# KiCad board Battman.kicad_pcb (continued)
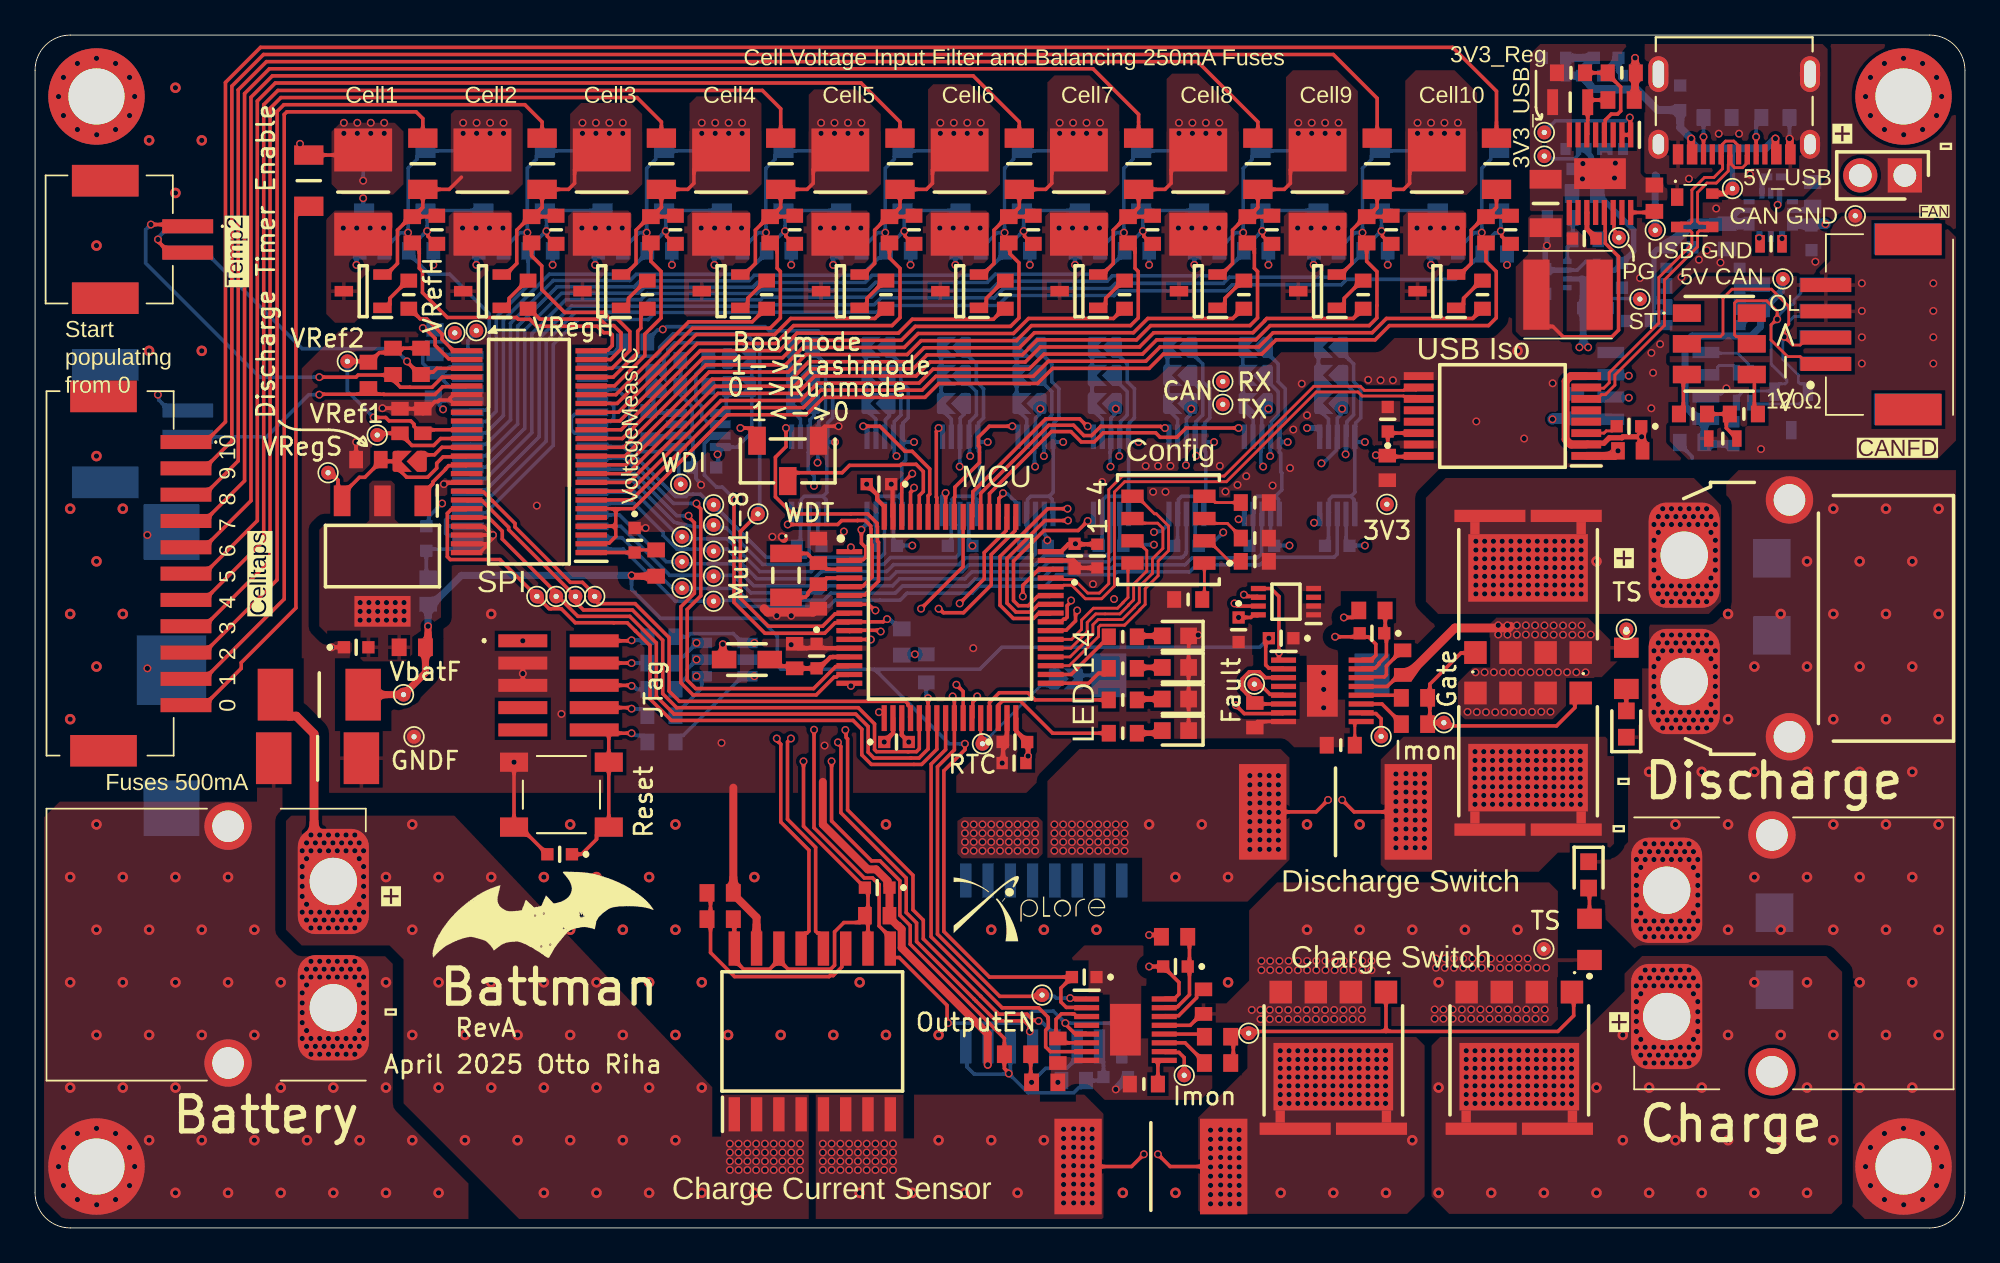
[diagram p0: board, top side]
## Routing (per net, layer and track width the routed paths; a pad name or vN(x,y) marks a point on that pad's centre or on a via; arc(x,y) is an arc through that point) (continued)

## Copper pours and planes (outline as drawn; the poured copper is in the pictures)
3.3V on Mid Layer 3: 28.53,26.7 72.7,26.7 79.5,33.5 79.5,40.56 82,44.3 98.9,44.3 100.7,46.1 100.7,55.14 105.35,59.89 104.05,61.38 102.38,59.7 87,59.7 85.9,58.6 85.9,52.6 83.6,50.3 43.8,50.3 27.6,34.1 27.6,27.93
3V3_Reg on Top Layer: 85.28,57.76 85.1,57.58 85.1,55.5 84.4,54.8 84.4,51.1 84.7,50.8 86.8,50.8 87.1,51.1 87.1,57.76
Bat_GND on Top Layer: 20.1,15.9 20.8,15.2 20.8,6.8 24.7,2.9 24.7,0.5 1.6,0.5 0.5,1.6 0.5,23.4 1.4,24.3 12.65,24.3 12.65,27.1 14.1,27.1 14.1,16.9 15.1,15.9
Bat_GND on Top Layer: 91.6,28.9 90.8,28.1 90.8,22 89.8,21 88,21 88,19.1 89.46,18.66 89.52,17.58 91.2,15.9 102.2,15.9 103.4,14.7 103.4,1.4 104.3,0.5 108.9,0.5 109.8,1.4 109.8,43.2 97.1,43.2 96.4,42.5 96.4,35.5 95.7,34.8 92.2,34.8 91.6,34.2
Bat_GND on Bottom Layer: 20.1,15.9 20.8,15.2 20.8,6.8 24.7,2.9 24.7,0.5 1.6,0.5 0.5,1.6 0.5,23.4 1.4,24.3 12.37,24.3 12.37,27.1 15.54,27.1 14.1,24.52 14.1,16.9 15.1,15.9
Bat_GND on Bottom Layer: 103.7,0.6 108.8,0.6 110,1.8 110,42.77 109.55,43.22 90.65,43.22 90.4,42.97 90.4,0.7
Bat_GND on Mid Layer 1: 0,0 109.11,0.31 109.5,0.7 109.5,42.1 108,43.6 70.7,43.6 0,27.5
Bat_GND on Mid Layer 2: 91.6,28.9 90.8,28.1 90.8,16.3 91.2,15.9 102.2,15.9 103.4,14.7 103.4,1.4 104.3,0.5 108.9,0.5 109.8,1.4 109.8,43.2 97.1,43.2 96.4,42.5 96.4,35.5 95.7,34.8 92.2,34.8 91.6,34.2
Bat_GND on Mid Layer 2: 20.1,15.9 20.8,15.2 20.8,6.8 24.7,2.9 24.7,0.5 1.6,0.5 0.5,1.6 0.5,23.4 1.4,24.3 14.1,24.3 14.1,16.9 15.1,15.9
Bat_GND on Mid Layer 3: 91.6,28.9 90.8,28.1 90.8,16.3 91.2,15.9 102.2,15.9 103.4,14.7 103.4,1.4 104.3,0.5 108.9,0.5 109.8,1.4 109.8,43.2 97.1,43.2 96.4,42.5 96.4,35.5 95.7,34.8 92.2,34.8 91.6,34.2
Bat_GND on Mid Layer 3: 20.1,15.9 20.8,15.2 20.8,6.8 24.7,2.9 24.7,0.5 1.6,0.5 0.5,1.6 0.5,23.4 1.4,24.3 14.1,24.3 14.1,16.9 15.1,15.9
Bat_GND on Mid Layer 4: 0,0 108.91,0.31 109.5,0.9 109.5,42.1 108,43.6 70.7,43.6 0,27.5
Bat_GND_Fused on Top Layer: 59.8,16.1 57.9,14.2 57.9,8.8 59.4,7.3 67,7.3 67.1,7.4 67.1,14 65.2,16.1
Bat_GND_Fused on Top Layer: 77.1,27.4 80.4,30.7 80.4,41.8 81.55,42.95 89.03,42.95 89.84,43.75 108.35,43.75 109.7,45.1 109.7,63.3 105.4,67.6 85.9,67.6 85.2,66.9 85.2,55.8 84.3,54.9 84.3,52.3 83.1,51.1 17.3,51.1 15.2,49 15.2,25.5 15.9,24.8 56.5,24.8 59.1,27.4
Bat_GND_Fused on Bottom Layer: 101.75,56.23 99.67,56.23 99.1,56.8 98.78,56.8 98.25,56.27 95.88,56.27 95.75,56.15 95.75,55.35 96.07,55.03 101.43,55.03 101.75,55.35
Bat_GND_Fused on Bottom Layer: 109.6,65.7 107.5,67.8 85.9,67.8 85.1,67 85.1,53.1 83.1,51.1 17.12,51.1 15.2,49 15.2,25.6 73.32,25.6 80.38,32.65 80.38,41.8 81.67,43.3 87.6,43.3 88.5,44.2 107.9,44.2 109.6,45.9
Bat_GND_Fused on Bottom Layer: 99.83,59.04 99.2,59.58 99.2,60.11 101.97,60.11 101.97,59.2 101.98,59.2 100.5,59.2 100.5,58.35 99.83,58.35
Bat_GND_Fused on Mid Layer 1: 10.4,67.43 1.43,67.43 0.5,66.5 0.5,24.8 58.67,24.8 71.8,28.14 78.5,32.6 78.9,42.67 83.34,43.8 108.4,43.8 109.6,45 109.6,65.7 107.9,67.4
Bat_GND_Fused on Mid Layer 2: 77.1,27.4 80.4,30.7 80.4,41.8 81.53,42.92 89.01,42.92 89.84,43.75 108.35,43.75 109.7,45.1 109.7,63.3 105.4,67.6 85.9,67.6 85.2,66.9 85.2,55.8 84.3,54.9 84.3,52.3 83.1,51.1 17.3,51.1 15.2,49 15.2,25.5 15.9,24.8 56.5,24.8 59.1,27.4
Bat_GND_Fused on Mid Layer 4: 0.1,67.1 1,68 108.8,68 110,66.8 110,44.1 109.7,43.8 69.4,43.8 50.4,24.8 0.1,24.8
CAN_GND on Top Layer: 109.74,56.23 108.3,57.67 102.97,57.67 102.33,57.04 102.33,55.13 101.45,54.25 94.63,54.25 93.18,52.8 93.18,44.84 94.22,43.8 108.4,43.8 109.86,45.26
CAN_GND on Bottom Layer: 109.03,58.2 104.1,58.2 101.88,54.97 97.4,54.97 96.75,54.33 96.75,51.6 96.49,51.31 94.08,51.32 93.8,51.02 93.8,44.22 94.22,43.8 108.4,43.8 109.49,44.89 109.49,57.73
Cell0 on Top Layer: 20.5,63 21,62.5 21,59.5 20.41,58.91 17.49,58.91 16.9,59.5 16.9,62.5 17.4,63
Cell0 on Bottom Layer: 41.4,39.4 42.77,37.8 75.5,37.8 76.2,38.5 76.2,49.9 73.5,52.6 65.2,52.6 63.8,51.2 43.3,51.2 41.4,49.3
Cell0 on Mid Layer 1: 6.1,29.01 6.63,28.6 9.5,28.6 15.4,34.5 15.4,62.8 15.7,63.1 16.3,63.1 16.6,62.8 16.6,51.6 16.8,51.4 21.5,51.4 23.6,49.3 29.9,49.3 30.34,48.86 30.31,38.29 31.01,37.59 33.19,37.59 33.5,37.9 33.5,39.7 39.59,46 44.11,46 45.11,47 50.91,47 51.63,47.72 57.26,47.72 58.25,48.63 63.63,48.63 64.45,49.45 70.05,49.45 70.85,50.25 76.46,50.25 77.4,51.2 83.1,51.2 84.2,52.7 84.2,54.8 85,55.6 85,66.9 84.4,67.5 12.4,67.5 10.2,65.3 10.2,46.9 9.1,45.8 6.7,45.8 6.1,45.2
Cell0 on Mid Layer 2: 16.6,66.7 16.6,59.88 22.1,59.88 22.1,66.6 21.2,67.5 17.4,67.5
Cell0 on Mid Layer 3: 16.6,66.7 16.6,59.88 22.1,59.88 22.1,66.6 21.2,67.5 17.4,67.5
Cell0 on Mid Layer 4: 16.6,51.6 16.8,51.4 17.5,51.4 22.6,46.3 22.6,38.6 23.9,37.3 32.7,37.3 38.2,35.4 39.91,35.4 40.11,35.21 45.3,35.21 45.7,35.6 49.4,35.6 49.8,36 53.5,36 53.9,36.4 57.7,36.4 58.1,36.8 61.8,36.8 62.2,37.2 66,37.2 66.4,37.6 75.54,37.6 76.53,38.59 76.53,51.6 83.4,51.6 84.18,52.66 84.18,54.8 85,55.62 85,66.9 84.4,67.5 17.4,67.5 16.6,66.7
NetC402_2 on Top Layer: 87.7,58.6 87.7,57.1 89,55.8 89.83,55.8 90.13,55.51 90.13,51.05 89.88,50.8 87.5,50.8 87.3,51 87.3,58.6
NetC415_2 on Bottom Layer (solid shape): 93.85,56.25 93.77,56.16 93.63,56.01 93.57,55.93 93.53,55.86 93.49,55.79 93.46,55.73 93.44,55.67 93.43,55.61 93.42,55.55 92.73,56.25 93.42,56.67
NetF200A_2 on Top Layer: 27.5,63.8 27.8,63.5 27.8,59.5 27.21,58.91 24.29,58.91 23.7,59.5 23.7,63.5 24,63.8
NetF200A_2 on Mid Layer 2: 23.4,66.7 23.4,59.88 28.9,59.88 28.9,66.6 28,67.5 24.2,67.5
NetF200A_2 on Mid Layer 3: 23.4,66.7 23.4,59.88 28.9,59.88 28.9,66.6 28,67.5 24.2,67.5
NetF200B_2 on Top Layer: 33.9,64.2 34.6,63.5 34.6,59.5 34.01,58.91 31.09,58.91 30.5,59.5 30.5,63.5 31.2,64.2
NetF200B_2 on Top Layer: 34.1,63 34.6,62.5 34.6,59.5 34.01,58.91 31.09,58.91 30.5,59.5 30.5,62.5 31,63
NetF200B_2 on Mid Layer 2: 30.2,66.7 30.2,59.88 35.7,59.88 35.7,66.6 34.8,67.5 31,67.5
NetF200B_2 on Mid Layer 3: 30.2,66.7 30.2,59.88 35.7,59.88 35.7,66.6 34.8,67.5 31,67.5
NetF200C_2 on Top Layer: 41,64.5 41.4,64.1 41.4,59.5 40.81,58.91 37.89,58.91 37.3,59.5 37.3,64.1 37.7,64.5
NetF200C_2 on Top Layer: 40.9,63 41.4,62.5 41.4,59.5 40.81,58.91 37.89,58.91 37.3,59.5 37.3,62.5 37.8,63
NetF200C_2 on Mid Layer 2: 37,66.7 37,59.88 42.5,59.88 42.5,66.6 41.6,67.5 37.8,67.5
NetF200C_2 on Mid Layer 3: 37,66.7 37,59.88 42.5,59.88 42.5,66.6 41.6,67.5 37.8,67.5
NetF200D_2 on Top Layer: 46.8,64.9 48.2,63.5 48.2,59.5 47.61,58.91 44.69,58.91 44.1,59.5 44.1,64.6 44.4,64.9
NetF200D_2 on Top Layer: 47.7,63 48.2,62.5 48.2,59.5 47.61,58.91 44.69,58.91 44.1,59.5 44.1,62.5 44.6,63
NetF200D_2 on Mid Layer 2: 43.8,66.7 43.8,59.88 49.3,59.88 49.3,66.6 48.4,67.5 44.6,67.5
NetF200D_2 on Mid Layer 3: 43.8,66.7 43.8,59.88 49.3,59.88 49.3,66.6 48.4,67.5 44.6,67.5
NetF200E_2 on Top Layer: 53.3,65.2 55,63.5 55,59.5 54.41,58.91 51.49,58.91 50.9,59.5 50.9,64.9 51.2,65.2
NetF200E_2 on Top Layer: 54.5,63 55,62.5 55,59.5 54.41,58.91 51.49,58.91 50.9,59.5 50.9,62.5 51.4,63
NetF200E_2 on Mid Layer 2: 50.6,66.7 50.6,59.88 56.1,59.88 56.1,66.6 55.2,67.5 51.4,67.5
NetF200E_2 on Mid Layer 3: 50.6,66.7 50.6,59.88 56.1,59.88 56.1,66.6 55.2,67.5 51.4,67.5
NetF200F_2 on Top Layer: 60.1,65.7 61.8,64 61.8,59.5 61.21,58.91 58.29,58.91 57.7,59.5 57.7,65.3 58.1,65.7
NetF200F_2 on Top Layer: 61.3,63 61.8,62.5 61.8,59.5 61.21,58.91 58.29,58.91 57.7,59.5 57.7,62.5 58.2,63
NetF200F_2 on Mid Layer 2: 57.4,66.7 57.4,59.88 62.9,59.88 62.9,66.6 62,67.5 58.2,67.5
NetF200F_2 on Mid Layer 3: 57.4,66.7 57.4,59.88 62.9,59.88 62.9,66.6 62,67.5 58.2,67.5
NetF200G_2 on Top Layer: 66.3,65.8 68.6,63.5 68.6,59.5 68.01,58.91 65.09,58.91 64.5,59.5 64.5,65.5 64.8,65.8
NetF200G_2 on Top Layer: 68.1,63 68.6,62.5 68.6,59.5 68.01,58.91 65.09,58.91 64.5,59.5 64.5,62.5 65,63
NetF200G_2 on Mid Layer 2: 64.2,66.7 64.2,59.88 69.7,59.88 69.7,66.6 68.8,67.5 65,67.5
NetF200G_2 on Mid Layer 3: 64.2,66.7 64.2,59.88 69.7,59.88 69.7,66.6 68.8,67.5 65,67.5
NetF200H_2 on Top Layer: 74.9,63 75.4,62.5 75.4,59.5 74.81,58.91 71.89,58.91 71.3,59.5 71.3,62.5 71.8,63
NetF200H_2 on Top Layer: 74.2,66 75.4,64.8 75.4,59.5 74.81,58.91 71.89,58.91 71.3,59.5 71.3,65.6 71.7,66
NetF200H_2 on Mid Layer 2: 71,66.7 71,59.88 76.5,59.88 76.5,66.6 75.6,67.5 71.8,67.5
NetF200H_2 on Mid Layer 3: 71,66.7 71,59.88 76.5,59.88 76.5,66.6 75.6,67.5 71.8,67.5
NetF200I_2 on Top Layer: 80.9,66 82.2,64.7 82.2,59.5 81.61,58.91 78.69,58.91 78.1,59.5 78.1,65.4 78.7,66
NetF200I_2 on Top Layer: 81.7,63 82.2,62.5 82.2,59.5 81.61,58.91 78.69,58.91 78.1,59.5 78.1,62.5 78.6,63
NetF200I_2 on Mid Layer 2: 77.8,66.7 77.8,59.88 83.3,59.88 83.3,66.6 82.4,67.5 78.6,67.5
NetF200I_2 on Mid Layer 3: 77.8,66.7 77.8,59.88 83.3,59.88 83.3,66.6 82.4,67.5 78.6,67.5
NetQ200A_3 on Top Layer: 17.1,58 16.6,57.5 16.6,52.1 17.1,51.6 18.2,51.6 18.5,51.9 18.5,54 19.5,55 20.1,55 20.4,55.3 20.4,57.8 20.2,58
NetQ200A_3 on Mid Layer 2: 16.6,52.5 16.6,59.52 22.1,59.52 22.1,52.55 21.3,51.75 17.35,51.75
NetQ200A_3 on Mid Layer 3: 16.6,52.5 16.6,59.52 22.1,59.52 22.1,52.55 21.3,51.75 17.35,51.75
NetQ200B_3 on Top Layer: 23.9,58 23.4,57.5 23.4,52.1 23.9,51.6 25,51.6 25.3,51.9 25.3,54 26.3,55 26.9,55 27.2,55.3 27.2,57.8 27,58
NetQ200B_3 on Mid Layer 2: 23.4,52.5 23.4,59.52 28.9,59.52 28.9,52.55 28.1,51.75 24.15,51.75
NetQ200B_3 on Mid Layer 3: 23.4,52.5 23.4,59.52 28.9,59.52 28.9,52.55 28.1,51.75 24.15,51.75
NetQ200C_3 on Top Layer: 30.7,58 30.2,57.5 30.2,52.1 30.7,51.6 31.8,51.6 32.1,51.9 32.1,54 33.1,55 33.7,55 34,55.3 34,57.8 33.8,58
NetQ200C_3 on Mid Layer 2: 30.2,52.5 30.2,59.52 35.7,59.52 35.7,52.55 34.9,51.75 30.95,51.75
NetQ200C_3 on Mid Layer 3: 30.2,52.5 30.2,59.52 35.7,59.52 35.7,52.55 34.9,51.75 30.95,51.75
NetQ200D_3 on Top Layer: 37.5,58 37,57.5 37,52.1 37.5,51.6 38.6,51.6 38.9,51.9 38.9,54 39.9,55 40.5,55 40.8,55.3 40.8,57.8 40.6,58
NetQ200D_3 on Mid Layer 2: 37,52.5 37,59.52 42.5,59.52 42.5,52.55 41.7,51.75 37.75,51.75
NetQ200D_3 on Mid Layer 3: 37,52.5 37,59.52 42.5,59.52 42.5,52.55 41.7,51.75 37.75,51.75
NetQ200E_3 on Top Layer: 44.3,58 43.8,57.5 43.8,52.1 44.3,51.6 45.4,51.6 45.7,51.9 45.7,54 46.7,55 47.3,55 47.6,55.3 47.6,57.8 47.4,58
NetQ200E_3 on Mid Layer 2: 43.8,52.5 43.8,59.52 49.3,59.52 49.3,52.55 48.5,51.75 44.55,51.75
NetQ200E_3 on Mid Layer 3: 43.8,52.5 43.8,59.52 49.3,59.52 49.3,52.55 48.5,51.75 44.55,51.75
NetQ200F_3 on Top Layer: 51.1,58 50.6,57.5 50.6,52.1 51.1,51.6 52.2,51.6 52.5,51.9 52.5,54 53.5,55 54.1,55 54.4,55.3 54.4,57.8 54.2,58
NetQ200F_3 on Mid Layer 2: 50.6,52.5 50.6,59.52 56.1,59.52 56.1,52.55 55.3,51.75 51.35,51.75
NetQ200F_3 on Mid Layer 3: 50.6,52.5 50.6,59.52 56.1,59.52 56.1,52.55 55.3,51.75 51.35,51.75
NetQ200G_3 on Top Layer: 57.9,58 57.4,57.5 57.4,52.1 57.9,51.6 59,51.6 59.3,51.9 59.3,54 60.3,55 60.9,55 61.2,55.3 61.2,57.8 61,58
NetQ200G_3 on Mid Layer 2: 57.4,52.5 57.4,59.52 62.9,59.52 62.9,52.55 62.1,51.75 58.15,51.75
NetQ200G_3 on Mid Layer 3: 57.4,52.5 57.4,59.52 62.9,59.52 62.9,52.55 62.1,51.75 58.15,51.75
NetQ200H_3 on Top Layer: 64.7,58 64.2,57.5 64.2,52.1 64.7,51.6 65.8,51.6 66.1,51.9 66.1,54 67.1,55 67.7,55 68,55.3 68,57.8 67.8,58
NetQ200H_3 on Mid Layer 2: 64.2,52.5 64.2,59.52 69.7,59.52 69.7,52.55 68.9,51.75 64.95,51.75
NetQ200H_3 on Mid Layer 3: 64.2,52.5 64.2,59.52 69.7,59.52 69.7,52.55 68.9,51.75 64.95,51.75
NetQ200I_3 on Top Layer: 71.5,58 71,57.5 71,52.1 71.5,51.6 72.6,51.6 72.9,51.9 72.9,54 73.9,55 74.5,55 74.8,55.3 74.8,57.8 74.6,58
NetQ200I_3 on Mid Layer 2: 71,52.5 71,59.52 76.5,59.52 76.5,52.55 75.7,51.75 71.75,51.75
NetQ200I_3 on Mid Layer 3: 71,52.5 71,59.52 76.5,59.52 76.5,52.55 75.7,51.75 71.75,51.75
NetQ200J_3 on Top Layer: 78.3,58 77.8,57.5 77.8,52.1 78.3,51.6 79.4,51.6 79.7,51.9 79.7,54 80.7,55 81.3,55 81.6,55.3 81.6,57.8 81.4,58
NetQ200J_3 on Mid Layer 2: 77.8,52.5 77.8,59.52 83.3,59.52 83.3,52.55 82.5,51.75 78.55,51.75
NetQ200J_3 on Mid Layer 3: 77.8,52.5 77.8,59.52 83.3,59.52 83.3,52.55 82.5,51.75 78.55,51.75
Out1 on Top Layer: 88,10.9 90.6,13.5 90.6,14.5 91.6,15.5 102.1,15.5 103,14.6 103,1.4 102.4,0.8 80.6,0.8 79.6,1.8 79.6,10.4 80.1,10.9
Out1 on Bottom Layer: 87.9,10.8 90.6,13.5 90.6,14.5 91.6,15.5 102.1,15.5 103,14.6 103,1.4 102.4,0.8 80.6,0.8 79.6,1.8 79.6,9.8 80.6,10.8
Out1 on Mid Layer 2: 87.9,10.8 90.6,13.5 90.6,14.5 91.6,15.5 102.1,15.5 103,14.6 103,1.4 102.4,0.8 80.6,0.8 79.6,1.8 79.6,9.8 80.6,10.8
Out1 on Mid Layer 3: 87.9,10.8 90.6,13.5 90.6,14.5 91.6,15.5 102.1,15.5 103,14.6 103,1.4 102.4,0.8 80.6,0.8 79.6,1.8 79.6,9.8 80.6,10.8
Out2 on Top Layer: 94.55,42.75 96.1,41.2 96.1,35.7 95.4,35 79.98,35 79.28,35.7 79.28,41.62 80.4,42.75
Out2 on Bottom Layer: 96.58,42.75 100.08,39.25 100.08,36.7 98.38,35 79.98,35 79.28,35.7 79.28,41.61 80.41,42.75
Out2 on Mid Layer 2: 94.55,42.75 96.1,41.2 96.1,35.7 95.4,35 79.98,35 79.28,35.7 79.28,41.61 80.41,42.75
Out2 on Mid Layer 3: 94.55,42.75 96.1,41.2 96.1,35.7 95.4,35 79.98,35 79.28,35.7 79.28,41.62 80.4,42.75
shunt+A on Top Layer: 44.5,7.6 49.5,7.6 49.5,5.1 50.1,5.1 50.1,7.6 59.8,7.6 60.9,6.5 60.9,0.6 60.3,0 44.5,0
shunt+A on Bottom Layer: 44.5,5.1 50.1,5.1 50.1,7.6 59.8,7.6 61.3,6.1 61.3,1 60.3,0 44.5,0
shunt+A on Mid Layer 2: 44.5,5.1 50.1,5.1 50.1,7.6 59.8,7.6 61.3,6.1 61.3,1 60.3,0 44.5,0
shunt+A on Mid Layer 3: 44.5,5.1 50.1,5.1 50.1,7.6 59.8,7.6 61.3,6.1 61.3,1 60.3,0 44.5,0
shunt+B on Top Layer: 71.5,26.8 71,27.3 59.53,27.3 57.7,25.47 57.7,21.1 63.1,21.1 63.1,18.6 69.1,18.6 71.5,21
shunt+B on Bottom Layer: 71.5,26.8 71,27.3 59.3,27.3 57.7,25.7 57.7,18.6 62.5,18.6 62.5,21.1 63.1,21.1 63.1,18.6 69.1,18.6 71.5,21
shunt+B on Mid Layer 2: 71.5,26.8 71,27.3 59.3,27.3 57.7,25.7 57.7,21.1 63.1,21.1 63.1,18.6 69.1,18.6 71.5,21
shunt+B on Mid Layer 3: 71.5,26.8 71,27.3 59.3,27.3 57.7,25.7 57.7,21.1 63.1,21.1 63.1,18.6 69.1,18.6 71.5,21
shunt-A on Top Layer: 66.3,6.3 69.1,9.1 69.1,10.4 69.6,10.9 78.7,10.9 79.2,10.4 79.2,1.8 78.2,0.8 66.5,0.8 66.3,1
shunt-A on Bottom Layer: 66.3,6.3 69.1,9.1 69.1,10.4 69.6,10.9 78.7,10.9 79.2,10.4 79.2,1.8 78.2,0.8 66.5,0.8 66.3,1
shunt-A on Mid Layer 2: 66.3,6.3 69.1,9.1 69.1,10.4 69.6,10.9 78.7,10.9 79.2,10.4 79.2,1.8 78.2,0.8 66.5,0.8 66.3,1
shunt-A on Mid Layer 3: 66.3,6.3 69.1,9.1 69.1,10.4 69.6,10.9 78.7,10.9 79.2,10.4 79.2,1.8 78.2,0.8 66.5,0.8 66.3,1
shunt-B on Top Layer: 76.7,26.7 78,28 89.5,28 90,27.5 90,21.9 89.5,21.4 86.8,21.4 85.7,20.3 77.1,20.3 76.7,20.7
shunt-B on Bottom Layer: 76.7,26.7 78,28 89.5,28 90,27.5 90,21.9 88.4,20.3 77.1,20.3 76.7,20.7
shunt-B on Mid Layer 2: 76.7,26.7 78,28 89.5,28 90,27.5 90,21.9 89.5,21.4 86.8,21.4 85.7,20.3 77.1,20.3 76.7,20.7
shunt-B on Mid Layer 3: 76.7,26.7 78,28 89.5,28 90,27.5 90,21.9 89.5,21.4 86.8,21.4 85.7,20.3 77.1,20.3 76.7,20.7
TSA on Top Layer: 86.3,11.4 86.8,11.9 86.8,15.15 89.2,15.15 89.2,15.38 86.8,15.38 86.8,19.2 86.3,19.7 70.8,19.7 69.2,18.1 69.2,14.1 67.9,12.8 66.19,12.8 66.19,11.7 69.4,11.7 69.7,11.4
TSA on Bottom Layer: 86.3,11.4 86.8,11.9 86.8,19.2 86.3,19.7 70.8,19.7 69.2,18.1 69.2,11.9 69.7,11.4
TSA on Mid Layer 2: 86.3,11.4 86.8,11.9 86.8,19.2 86.3,19.7 70.8,19.7 69.2,18.1 69.2,11.9 69.7,11.4
TSA on Mid Layer 3: 86.3,11.4 86.8,11.9 86.8,19.2 86.3,19.7 70.8,19.7 69.2,18.1 69.2,11.9 69.7,11.4
TSB on Top Layer (solid shape): 78.97,31.89 78.44,31.14 77.93,31.91 78,31.91 78.07,31.92 78.14,31.94 78.21,31.97 78.28,32 78.35,32.04 78.42,32.08 78.5,32.14 78.57,32.2 78.64,32.27
TSB on Top Layer: 81.1,31.1 82,32 82.9,32 82.9,34.4 83.3,34.8 88.5,34.8 90.6,32.7 89.3,31.4 88.9,31.4 86.5,29 81.5,29 81.1,29.4
TSB on Bottom Layer: 80.7,34.5 81,34.8 89.3,34.8 89.6,34.5 89.6,28.9 89.2,28.5 81.1,28.5 80.7,28.9
TSB on Mid Layer 2: 81.1,31.1 82,32 82.9,32 82.9,34.4 83.3,34.8 88.5,34.8 90.6,32.7 89.3,31.4 88.9,31.4 86.5,29 81.5,29 81.1,29.4
TSB on Mid Layer 3: 81.1,31.1 82,32 82.9,32 82.9,34.4 83.3,34.8 88.5,34.8 90.6,32.7 89.3,31.4 88.9,31.4 86.5,29 81.5,29 81.1,29.4
USB_GND on Top Layer: 91.75,67.49 101.88,67.49 102.18,67.2 102.18,60.17 100.8,58.8 92.74,58.8 91.72,59.82
USB_GND on Bottom Layer: 85.58,67.49 101.88,67.49 102.18,67.2 102.18,60.88 101.62,60.32 98.16,60.32 96.94,58.8 92.74,58.8 91.75,59.8 91.75,64.52 91.27,65.1 86.88,65.1 86.83,66.5 85.57,66.5
V_Bat on Top Layer: 52.92,23.42 57.18,23.42 57.43,23.18 57.43,21.32 57.18,21.08 52.82,21.08 52.58,21.32 52.58,23.2
V_Bat on Top Layer: 14.6,23.5 23.9,23.5 38.6,8.02 38.6,5.2 39.1,5.2 39.1,7.6 44.1,7.6 44.1,0.3 27.8,0.3 21,7.1 21,15.3 20.2,16.1 15.2,16.1 14.3,17 14.3,23.2
V_Bat on Bottom Layer: 20.2,16.09 15.18,16.11 14.3,16.98 14.3,23.2 14.61,23.5 20.6,23.5 23.3,26.2 55.9,26.2 57.4,24.7 57.4,18.6 52.5,18.6 52.5,21.1 51.9,21.1 51.9,17.4 50.5,16 33.9,16 33.09,13.79 38.6,8.09 38.6,5.2 39.2,5.2 39.19,7.6 44.1,7.6 44.1,0.09 28,0.09 20.99,7.1 20.99,15.29
V_Bat on Mid Layer 2: 20.2,16.09 15.18,16.11 14.3,16.98 14.3,23.2 14.61,23.5 20.6,23.5 23.3,26.2 56,26.2 57.4,24.8 57.4,21.1 51.9,21.1 51.9,17.4 50.5,16 33.9,16 33.09,13.79 38.6,8.09 38.6,5.2 39.1,5.2 39.1,7.6 44.1,7.6 44.1,0.09 28,0.09 20.99,7.1 20.99,15.29
V_Bat on Mid Layer 3: 20.2,16.09 15.18,16.11 14.3,16.98 14.3,23.2 14.61,23.5 20.6,23.5 23.3,26.2 56,26.2 57.4,24.8 57.4,21.1 51.9,21.1 51.9,17.4 50.5,16 33.9,16 33.09,13.79 38.6,8.09 38.6,5.2 39.1,5.2 39.1,7.6 44.1,7.6 44.1,0.09 28,0.09 20.99,7.1 20.99,15.29
V_BattLDO on Top Layer: 21.1,32.3 21.5,32.7 21.5,33.69 23.14,34.81 23.14,39.76 22.8,40.1 20.8,40.1 20.5,40.4 20.5,42.4 20.3,42.6 19.24,42.6 19.05,42.41 19.05,40.35 18.8,40.1 16.5,40.1 16.2,39.8 16.2,34.3 16.7,33.8 18.1,33.8 18.3,33.6 18.3,32.7 18.7,32.3
V_BattLDO on Bottom Layer: 15.32,34.08 15.65,33.75 21.13,33.75 21.65,34.27 21.65,40.05 20.5,41.2 20.5,42.4 20.33,42.57 19.21,42.57 19.05,42.41 19.05,41.27 17.85,40.07 15.73,40.07 15.3,39.65 15.3,38.8

Small or netless copper shapes (teardrops, artwork), in the pictures only: 513 on Top Layer, 516 on Bottom Layer, 54 on Mid Layer 2, 3 on Mid Layer 3

## Text on the board
Bottom Overlay: SET0 | SET2 | SET1 | WDT Config | CR1225 | 3V RTC Battery | WDT | Discharge Current Sensor | USB PW Iso | 3V3 Mux | Supply | CAN Iso | CANFD Transceiver | Temp1 | Temp3 | CANFD | LTC6801 default config | OV1 OV0  UV1  UV0   HYST CC1  CC0  DC | GND | Vreg | Vref | Hardware Voltage protection | All Temperature sensors / are 10k NTC | Electronics work with smoke, as when smoke comes out it stops working
Top Overlay: April 2025 Otto Riha | VbatF | GNDF | RevA | WDI | 0->Runmode | 1<->0 | WDT | OutputEN | RTC | CAN | Imon | RX | TX | 3V3 | Discharge Timer Enable | VRefH | Reset | JTag | Mult1-8 | 1-4 | Fault | Gate | VRegS | VRef2 | VRef1 | VRegH | 1->Flashmode | Bootmode | TS | <-> | Battery | Battman | Charge | Discharge | FAN | Cell1 | Cell2 | Cell3 | Cell4 | Cell Voltage Input Filter and Balancing 250mA Fuses | Cell5 | Cell6 | Cell7 | Cell8 | Cell9 | Cell10 | ST | USB GND | 5V_USB | 0  1  2  3  4  5  6  7  8  9 10 | Temp2 | Celltaps | VoltageMeasIC | 3V3_USB | Fuses 500mA | 3V3_Reg | PG | 5V CAN | 120Ω | OL | CANFD | CAN GND | Charge Current Sensor | Config | Discharge Switch | Charge Switch | USB Iso | LED 1-4 | + | - | SPI | MCU | Start populating from 0
